# KiCad board led_res_0603_order.kicad_pcb (continued)
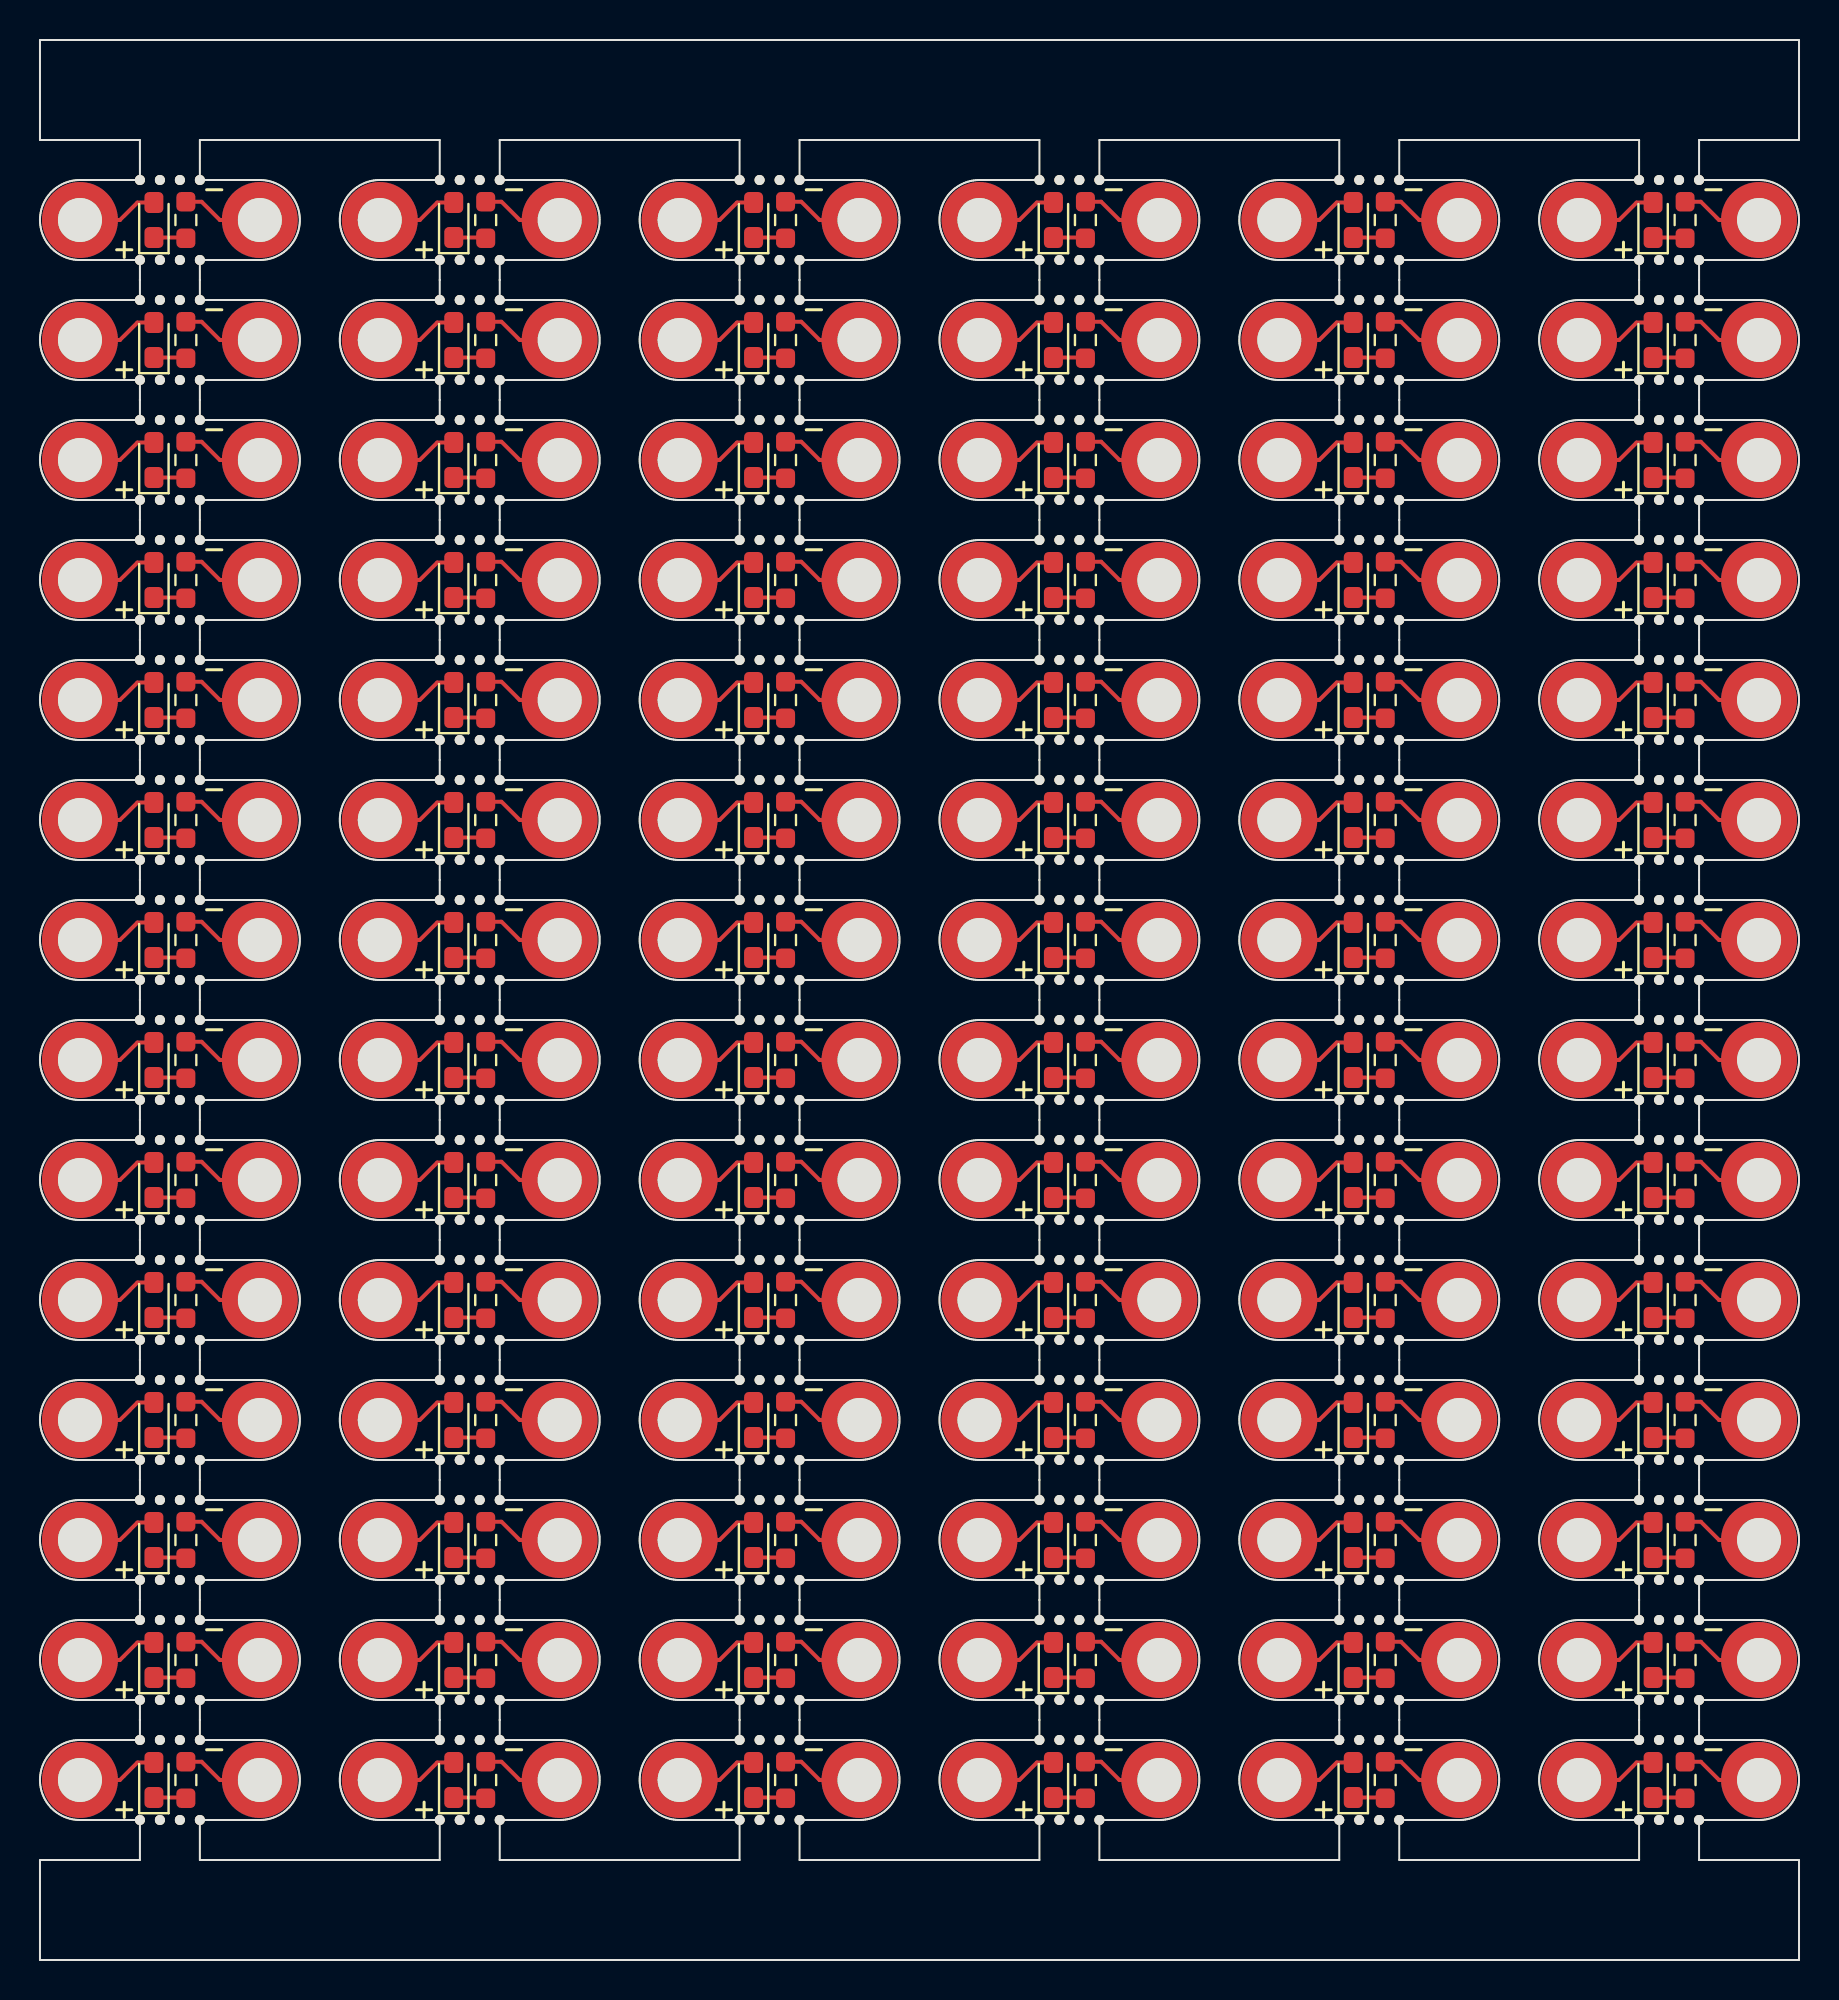
[diagram p0: board, top side]
## Placement (name value [footprint] x y rotation side) (continued)
H2#59  MountingHole_Pad  [MountingHole_2.2mm_M2_DIN965_Pad_TopBottom]  71 75 0 top
H2#60  MountingHole_Pad  [MountingHole_2.2mm_M2_DIN965_Pad_TopBottom]  41 87 0 top
H2#61  MountingHole_Pad  [MountingHole_2.2mm_M2_DIN965_Pad_TopBottom]  26 57 0 top
H2#62  MountingHole_Pad  [MountingHole_2.2mm_M2_DIN965_Pad_TopBottom]  26 33 0 top
H2#63  MountingHole_Pad  [MountingHole_2.2mm_M2_DIN965_Pad_TopBottom]  86 75 0 top
H2#64  MountingHole_Pad  [MountingHole_2.2mm_M2_DIN965_Pad_TopBottom]  86 39 0 top
H2#65  MountingHole_Pad  [MountingHole_2.2mm_M2_DIN965_Pad_TopBottom]  71 33 0 top
H2#66  MountingHole_Pad  [MountingHole_2.2mm_M2_DIN965_Pad_TopBottom]  26 81 0 top
H2#67  MountingHole_Pad  [MountingHole_2.2mm_M2_DIN965_Pad_TopBottom]  41 33 0 top
H2#68  MountingHole_Pad  [MountingHole_2.2mm_M2_DIN965_Pad_TopBottom]  71 69 0 top
H2#69  MountingHole_Pad  [MountingHole_2.2mm_M2_DIN965_Pad_TopBottom]  71 45 0 top
H2#70  MountingHole_Pad  [MountingHole_2.2mm_M2_DIN965_Pad_TopBottom]  11 69 0 top
H2#71  MountingHole_Pad  [MountingHole_2.2mm_M2_DIN965_Pad_TopBottom]  11 87 0 top
H2#72  MountingHole_Pad  [MountingHole_2.2mm_M2_DIN965_Pad_TopBottom]  56 63 0 top
H2#73  MountingHole_Pad  [MountingHole_2.2mm_M2_DIN965_Pad_TopBottom]  56 39 0 top
H2#74  MountingHole_Pad  [MountingHole_2.2mm_M2_DIN965_Pad_TopBottom]  26 87 0 top
H2#75  MountingHole_Pad  [MountingHole_2.2mm_M2_DIN965_Pad_TopBottom]  56 27 0 top
H2#76  MountingHole_Pad  [MountingHole_2.2mm_M2_DIN965_Pad_TopBottom]  11 15 0 top
H2#77  MountingHole_Pad  [MountingHole_2.2mm_M2_DIN965_Pad_TopBottom]  41 63 0 top
H2#78  MountingHole_Pad  [MountingHole_2.2mm_M2_DIN965_Pad_TopBottom]  56 69 0 top
H2#79  MountingHole_Pad  [MountingHole_2.2mm_M2_DIN965_Pad_TopBottom]  26 51 0 top
H2#80  MountingHole_Pad  [MountingHole_2.2mm_M2_DIN965_Pad_TopBottom]  11 39 0 top
H2#81  MountingHole_Pad  [MountingHole_2.2mm_M2_DIN965_Pad_TopBottom]  41 81 0 top
H2#82  MountingHole_Pad  [MountingHole_2.2mm_M2_DIN965_Pad_TopBottom]  26 63 0 top
H2#83  MountingHole_Pad  [MountingHole_2.2mm_M2_DIN965_Pad_TopBottom]  41 27 0 top
H2#84  MountingHole_Pad  [MountingHole_2.2mm_M2_DIN965_Pad_TopBottom]  71 63 0 top
KiKit_MB_1_1  -  [NPTH]  5 89 0 top
KiKit_MB_1_2  -  [NPTH]  6 89 0 top
KiKit_MB_1_3  -  [NPTH]  7 89 0 top
KiKit_MB_1_4  -  [NPTH]  8 89 0 top
KiKit_MB_2_1  -  [NPTH]  8 85 0 top
KiKit_MB_2_2  -  [NPTH]  7 85 0 top
KiKit_MB_2_3  -  [NPTH]  6 85 0 top
KiKit_MB_2_4  -  [NPTH]  5 85 0 top
KiKit_MB_3_1  -  [NPTH]  20 89 0 top
KiKit_MB_3_2  -  [NPTH]  21 89 0 top
KiKit_MB_3_3  -  [NPTH]  22 89 0 top
KiKit_MB_3_4  -  [NPTH]  23 89 0 top
KiKit_MB_4_1  -  [NPTH]  23 85 0 top
KiKit_MB_4_2  -  [NPTH]  22 85 0 top
KiKit_MB_4_3  -  [NPTH]  21 85 0 top
KiKit_MB_4_4  -  [NPTH]  20 85 0 top
KiKit_MB_5_1  -  [NPTH]  35 89 0 top
KiKit_MB_5_2  -  [NPTH]  36 89 0 top
KiKit_MB_5_3  -  [NPTH]  37 89 0 top
KiKit_MB_5_4  -  [NPTH]  38 89 0 top
KiKit_MB_6_1  -  [NPTH]  38 85 0 top
KiKit_MB_6_2  -  [NPTH]  37 85 0 top
KiKit_MB_6_3  -  [NPTH]  36 85 0 top
KiKit_MB_6_4  -  [NPTH]  35 85 0 top
KiKit_MB_7_1  -  [NPTH]  50 89 0 top
KiKit_MB_7_2  -  [NPTH]  51 89 0 top
KiKit_MB_7_3  -  [NPTH]  52 89 0 top
KiKit_MB_7_4  -  [NPTH]  53 89 0 top
KiKit_MB_8_1  -  [NPTH]  53 85 0 top
KiKit_MB_8_2  -  [NPTH]  52 85 0 top
KiKit_MB_8_3  -  [NPTH]  51 85 0 top
KiKit_MB_8_4  -  [NPTH]  50 85 0 top
KiKit_MB_9_1  -  [NPTH]  65 89 0 top
KiKit_MB_9_2  -  [NPTH]  66 89 0 top
KiKit_MB_9_3  -  [NPTH]  67 89 0 top
KiKit_MB_9_4  -  [NPTH]  68 89 0 top
KiKit_MB_10_1  -  [NPTH]  68 85 0 top
KiKit_MB_10_2  -  [NPTH]  67 85 0 top
KiKit_MB_10_3  -  [NPTH]  66 85 0 top
KiKit_MB_10_4  -  [NPTH]  65 85 0 top
KiKit_MB_11_1  -  [NPTH]  80 89 0 top
KiKit_MB_11_2  -  [NPTH]  81 89 0 top
KiKit_MB_11_3  -  [NPTH]  82 89 0 top
KiKit_MB_11_4  -  [NPTH]  83 89 0 top
KiKit_MB_12_1  -  [NPTH]  83 85 0 top
KiKit_MB_12_2  -  [NPTH]  82 85 0 top
KiKit_MB_12_3  -  [NPTH]  81 85 0 top
KiKit_MB_12_4  -  [NPTH]  80 85 0 top
KiKit_MB_13_1  -  [NPTH]  5 83 0 top
KiKit_MB_13_2  -  [NPTH]  6 83 0 top
KiKit_MB_13_3  -  [NPTH]  7 83 0 top
KiKit_MB_13_4  -  [NPTH]  8 83 0 top
KiKit_MB_14_1  -  [NPTH]  8 79 0 top
KiKit_MB_14_2  -  [NPTH]  7 79 0 top
KiKit_MB_14_3  -  [NPTH]  6 79 0 top
KiKit_MB_14_4  -  [NPTH]  5 79 0 top
KiKit_MB_15_1  -  [NPTH]  20 83 0 top
KiKit_MB_15_2  -  [NPTH]  21 83 0 top
KiKit_MB_15_3  -  [NPTH]  22 83 0 top
KiKit_MB_15_4  -  [NPTH]  23 83 0 top
KiKit_MB_16_1  -  [NPTH]  23 79 0 top
KiKit_MB_16_2  -  [NPTH]  22 79 0 top
KiKit_MB_16_3  -  [NPTH]  21 79 0 top
KiKit_MB_16_4  -  [NPTH]  20 79 0 top
KiKit_MB_17_1  -  [NPTH]  35 83 0 top
KiKit_MB_17_2  -  [NPTH]  36 83 0 top
KiKit_MB_17_3  -  [NPTH]  37 83 0 top
KiKit_MB_17_4  -  [NPTH]  38 83 0 top
KiKit_MB_18_1  -  [NPTH]  38 79 0 top
KiKit_MB_18_2  -  [NPTH]  37 79 0 top
KiKit_MB_18_3  -  [NPTH]  36 79 0 top
KiKit_MB_18_4  -  [NPTH]  35 79 0 top
KiKit_MB_19_1  -  [NPTH]  50 83 0 top
KiKit_MB_19_2  -  [NPTH]  51 83 0 top
KiKit_MB_19_3  -  [NPTH]  52 83 0 top
KiKit_MB_19_4  -  [NPTH]  53 83 0 top
KiKit_MB_20_1  -  [NPTH]  53 79 0 top
KiKit_MB_20_2  -  [NPTH]  52 79 0 top
KiKit_MB_20_3  -  [NPTH]  51 79 0 top
KiKit_MB_20_4  -  [NPTH]  50 79 0 top
KiKit_MB_21_1  -  [NPTH]  65 83 0 top
KiKit_MB_21_2  -  [NPTH]  66 83 0 top
KiKit_MB_21_3  -  [NPTH]  67 83 0 top
KiKit_MB_21_4  -  [NPTH]  68 83 0 top
KiKit_MB_22_1  -  [NPTH]  68 79 0 top
KiKit_MB_22_2  -  [NPTH]  67 79 0 top
KiKit_MB_22_3  -  [NPTH]  66 79 0 top
KiKit_MB_22_4  -  [NPTH]  65 79 0 top
KiKit_MB_23_1  -  [NPTH]  80 83 0 top
KiKit_MB_23_2  -  [NPTH]  81 83 0 top
KiKit_MB_23_3  -  [NPTH]  82 83 0 top
KiKit_MB_23_4  -  [NPTH]  83 83 0 top
KiKit_MB_24_1  -  [NPTH]  83 79 0 top
KiKit_MB_24_2  -  [NPTH]  82 79 0 top
KiKit_MB_24_3  -  [NPTH]  81 79 0 top
KiKit_MB_24_4  -  [NPTH]  80 79 0 top
KiKit_MB_25_1  -  [NPTH]  5 77 0 top
KiKit_MB_25_2  -  [NPTH]  6 77 0 top
KiKit_MB_25_3  -  [NPTH]  7 77 0 top
KiKit_MB_25_4  -  [NPTH]  8 77 0 top
KiKit_MB_26_1  -  [NPTH]  8 73 0 top
KiKit_MB_26_2  -  [NPTH]  7 73 0 top
KiKit_MB_26_3  -  [NPTH]  6 73 0 top
KiKit_MB_26_4  -  [NPTH]  5 73 0 top
KiKit_MB_27_1  -  [NPTH]  20 77 0 top
KiKit_MB_27_2  -  [NPTH]  21 77 0 top
KiKit_MB_27_3  -  [NPTH]  22 77 0 top
KiKit_MB_27_4  -  [NPTH]  23 77 0 top
KiKit_MB_28_1  -  [NPTH]  23 73 0 top
KiKit_MB_28_2  -  [NPTH]  22 73 0 top
KiKit_MB_28_3  -  [NPTH]  21 73 0 top
KiKit_MB_28_4  -  [NPTH]  20 73 0 top
KiKit_MB_29_1  -  [NPTH]  35 77 0 top
KiKit_MB_29_2  -  [NPTH]  36 77 0 top
KiKit_MB_29_3  -  [NPTH]  37 77 0 top
KiKit_MB_29_4  -  [NPTH]  38 77 0 top
KiKit_MB_30_1  -  [NPTH]  38 73 0 top
KiKit_MB_30_2  -  [NPTH]  37 73 0 top
KiKit_MB_30_3  -  [NPTH]  36 73 0 top
KiKit_MB_30_4  -  [NPTH]  35 73 0 top
KiKit_MB_31_1  -  [NPTH]  50 77 0 top
KiKit_MB_31_2  -  [NPTH]  51 77 0 top
KiKit_MB_31_3  -  [NPTH]  52 77 0 top
KiKit_MB_31_4  -  [NPTH]  53 77 0 top
KiKit_MB_32_1  -  [NPTH]  53 73 0 top
KiKit_MB_32_2  -  [NPTH]  52 73 0 top
KiKit_MB_32_3  -  [NPTH]  51 73 0 top
KiKit_MB_32_4  -  [NPTH]  50 73 0 top
KiKit_MB_33_1  -  [NPTH]  65 77 0 top
KiKit_MB_33_2  -  [NPTH]  66 77 0 top
KiKit_MB_33_3  -  [NPTH]  67 77 0 top
KiKit_MB_33_4  -  [NPTH]  68 77 0 top
KiKit_MB_34_1  -  [NPTH]  68 73 0 top
KiKit_MB_34_2  -  [NPTH]  67 73 0 top
KiKit_MB_34_3  -  [NPTH]  66 73 0 top
KiKit_MB_34_4  -  [NPTH]  65 73 0 top
KiKit_MB_35_1  -  [NPTH]  80 77 0 top
KiKit_MB_35_2  -  [NPTH]  81 77 0 top
KiKit_MB_35_3  -  [NPTH]  82 77 0 top
KiKit_MB_35_4  -  [NPTH]  83 77 0 top
KiKit_MB_36_1  -  [NPTH]  83 73 0 top
KiKit_MB_36_2  -  [NPTH]  82 73 0 top
KiKit_MB_36_3  -  [NPTH]  81 73 0 top
KiKit_MB_36_4  -  [NPTH]  80 73 0 top
KiKit_MB_37_1  -  [NPTH]  5 71 0 top
KiKit_MB_37_2  -  [NPTH]  6 71 0 top
KiKit_MB_37_3  -  [NPTH]  7 71 0 top
KiKit_MB_37_4  -  [NPTH]  8 71 0 top
KiKit_MB_38_1  -  [NPTH]  8 67 0 top
KiKit_MB_38_2  -  [NPTH]  7 67 0 top
KiKit_MB_38_3  -  [NPTH]  6 67 0 top
KiKit_MB_38_4  -  [NPTH]  5 67 0 top
KiKit_MB_39_1  -  [NPTH]  20 71 0 top
KiKit_MB_39_2  -  [NPTH]  21 71 0 top
KiKit_MB_39_3  -  [NPTH]  22 71 0 top
KiKit_MB_39_4  -  [NPTH]  23 71 0 top
KiKit_MB_40_1  -  [NPTH]  23 67 0 top
KiKit_MB_40_2  -  [NPTH]  22 67 0 top
KiKit_MB_40_3  -  [NPTH]  21 67 0 top
KiKit_MB_40_4  -  [NPTH]  20 67 0 top
KiKit_MB_41_1  -  [NPTH]  35 71 0 top
KiKit_MB_41_2  -  [NPTH]  36 71 0 top
KiKit_MB_41_3  -  [NPTH]  37 71 0 top
KiKit_MB_41_4  -  [NPTH]  38 71 0 top
KiKit_MB_42_1  -  [NPTH]  38 67 0 top
KiKit_MB_42_2  -  [NPTH]  37 67 0 top
KiKit_MB_42_3  -  [NPTH]  36 67 0 top
KiKit_MB_42_4  -  [NPTH]  35 67 0 top
KiKit_MB_43_1  -  [NPTH]  50 71 0 top
KiKit_MB_43_2  -  [NPTH]  51 71 0 top
KiKit_MB_43_3  -  [NPTH]  52 71 0 top
KiKit_MB_43_4  -  [NPTH]  53 71 0 top
KiKit_MB_44_1  -  [NPTH]  53 67 0 top
KiKit_MB_44_2  -  [NPTH]  52 67 0 top
KiKit_MB_44_3  -  [NPTH]  51 67 0 top
KiKit_MB_44_4  -  [NPTH]  50 67 0 top
KiKit_MB_45_1  -  [NPTH]  65 71 0 top
KiKit_MB_45_2  -  [NPTH]  66 71 0 top
KiKit_MB_45_3  -  [NPTH]  67 71 0 top
KiKit_MB_45_4  -  [NPTH]  68 71 0 top
KiKit_MB_46_1  -  [NPTH]  68 67 0 top
KiKit_MB_46_2  -  [NPTH]  67 67 0 top
KiKit_MB_46_3  -  [NPTH]  66 67 0 top
KiKit_MB_46_4  -  [NPTH]  65 67 0 top
KiKit_MB_47_1  -  [NPTH]  80 71 0 top
KiKit_MB_47_2  -  [NPTH]  81 71 0 top
KiKit_MB_47_3  -  [NPTH]  82 71 0 top
KiKit_MB_47_4  -  [NPTH]  83 71 0 top
KiKit_MB_48_1  -  [NPTH]  83 67 0 top
KiKit_MB_48_2  -  [NPTH]  82 67 0 top
KiKit_MB_48_3  -  [NPTH]  81 67 0 top
KiKit_MB_48_4  -  [NPTH]  80 67 0 top
KiKit_MB_49_1  -  [NPTH]  5 65 0 top
KiKit_MB_49_2  -  [NPTH]  6 65 0 top
KiKit_MB_49_3  -  [NPTH]  7 65 0 top
KiKit_MB_49_4  -  [NPTH]  8 65 0 top
KiKit_MB_50_1  -  [NPTH]  8 61 0 top
KiKit_MB_50_2  -  [NPTH]  7 61 0 top
KiKit_MB_50_3  -  [NPTH]  6 61 0 top
KiKit_MB_50_4  -  [NPTH]  5 61 0 top
KiKit_MB_51_1  -  [NPTH]  20 65 0 top
KiKit_MB_51_2  -  [NPTH]  21 65 0 top
KiKit_MB_51_3  -  [NPTH]  22 65 0 top
KiKit_MB_51_4  -  [NPTH]  23 65 0 top
KiKit_MB_52_1  -  [NPTH]  23 61 0 top
KiKit_MB_52_2  -  [NPTH]  22 61 0 top
KiKit_MB_52_3  -  [NPTH]  21 61 0 top
KiKit_MB_52_4  -  [NPTH]  20 61 0 top
KiKit_MB_53_1  -  [NPTH]  35 65 0 top
KiKit_MB_53_2  -  [NPTH]  36 65 0 top
KiKit_MB_53_3  -  [NPTH]  37 65 0 top
KiKit_MB_53_4  -  [NPTH]  38 65 0 top
KiKit_MB_54_1  -  [NPTH]  38 61 0 top
KiKit_MB_54_2  -  [NPTH]  37 61 0 top
KiKit_MB_54_3  -  [NPTH]  36 61 0 top
KiKit_MB_54_4  -  [NPTH]  35 61 0 top
KiKit_MB_55_1  -  [NPTH]  50 65 0 top
KiKit_MB_55_2  -  [NPTH]  51 65 0 top
KiKit_MB_55_3  -  [NPTH]  52 65 0 top
KiKit_MB_55_4  -  [NPTH]  53 65 0 top
KiKit_MB_56_1  -  [NPTH]  53 61 0 top
KiKit_MB_56_2  -  [NPTH]  52 61 0 top
KiKit_MB_56_3  -  [NPTH]  51 61 0 top
KiKit_MB_56_4  -  [NPTH]  50 61 0 top
KiKit_MB_57_1  -  [NPTH]  65 65 0 top
KiKit_MB_57_2  -  [NPTH]  66 65 0 top
KiKit_MB_57_3  -  [NPTH]  67 65 0 top
KiKit_MB_57_4  -  [NPTH]  68 65 0 top
KiKit_MB_58_1  -  [NPTH]  68 61 0 top
KiKit_MB_58_2  -  [NPTH]  67 61 0 top
KiKit_MB_58_3  -  [NPTH]  66 61 0 top
KiKit_MB_58_4  -  [NPTH]  65 61 0 top
KiKit_MB_59_1  -  [NPTH]  80 65 0 top
KiKit_MB_59_2  -  [NPTH]  81 65 0 top
KiKit_MB_59_3  -  [NPTH]  82 65 0 top
KiKit_MB_59_4  -  [NPTH]  83 65 0 top
KiKit_MB_60_1  -  [NPTH]  83 61 0 top
KiKit_MB_60_2  -  [NPTH]  82 61 0 top
KiKit_MB_60_3  -  [NPTH]  81 61 0 top
KiKit_MB_60_4  -  [NPTH]  80 61 0 top
KiKit_MB_61_1  -  [NPTH]  5 59 0 top
KiKit_MB_61_2  -  [NPTH]  6 59 0 top
KiKit_MB_61_3  -  [NPTH]  7 59 0 top
KiKit_MB_61_4  -  [NPTH]  8 59 0 top
KiKit_MB_62_1  -  [NPTH]  8 55 0 top
KiKit_MB_62_2  -  [NPTH]  7 55 0 top
KiKit_MB_62_3  -  [NPTH]  6 55 0 top
KiKit_MB_62_4  -  [NPTH]  5 55 0 top
KiKit_MB_63_1  -  [NPTH]  20 59 0 top
KiKit_MB_63_2  -  [NPTH]  21 59 0 top
KiKit_MB_63_3  -  [NPTH]  22 59 0 top
KiKit_MB_63_4  -  [NPTH]  23 59 0 top
KiKit_MB_64_1  -  [NPTH]  23 55 0 top
KiKit_MB_64_2  -  [NPTH]  22 55 0 top
KiKit_MB_64_3  -  [NPTH]  21 55 0 top
KiKit_MB_64_4  -  [NPTH]  20 55 0 top
KiKit_MB_65_1  -  [NPTH]  35 59 0 top
KiKit_MB_65_2  -  [NPTH]  36 59 0 top
KiKit_MB_65_3  -  [NPTH]  37 59 0 top
KiKit_MB_65_4  -  [NPTH]  38 59 0 top
KiKit_MB_66_1  -  [NPTH]  38 55 0 top
KiKit_MB_66_2  -  [NPTH]  37 55 0 top
KiKit_MB_66_3  -  [NPTH]  36 55 0 top
KiKit_MB_66_4  -  [NPTH]  35 55 0 top
KiKit_MB_67_1  -  [NPTH]  50 59 0 top
KiKit_MB_67_2  -  [NPTH]  51 59 0 top
KiKit_MB_67_3  -  [NPTH]  52 59 0 top
KiKit_MB_67_4  -  [NPTH]  53 59 0 top
KiKit_MB_68_1  -  [NPTH]  53 55 0 top
KiKit_MB_68_2  -  [NPTH]  52 55 0 top
KiKit_MB_68_3  -  [NPTH]  51 55 0 top
KiKit_MB_68_4  -  [NPTH]  50 55 0 top
KiKit_MB_69_1  -  [NPTH]  65 59 0 top
KiKit_MB_69_2  -  [NPTH]  66 59 0 top
KiKit_MB_69_3  -  [NPTH]  67 59 0 top
KiKit_MB_69_4  -  [NPTH]  68 59 0 top
KiKit_MB_70_1  -  [NPTH]  68 55 0 top
KiKit_MB_70_2  -  [NPTH]  67 55 0 top
KiKit_MB_70_3  -  [NPTH]  66 55 0 top
KiKit_MB_70_4  -  [NPTH]  65 55 0 top
KiKit_MB_71_1  -  [NPTH]  80 59 0 top
KiKit_MB_71_2  -  [NPTH]  81 59 0 top
KiKit_MB_71_3  -  [NPTH]  82 59 0 top
KiKit_MB_71_4  -  [NPTH]  83 59 0 top
KiKit_MB_72_1  -  [NPTH]  83 55 0 top
KiKit_MB_72_2  -  [NPTH]  82 55 0 top
KiKit_MB_72_3  -  [NPTH]  81 55 0 top
KiKit_MB_72_4  -  [NPTH]  80 55 0 top
KiKit_MB_73_1  -  [NPTH]  5 53 0 top
KiKit_MB_73_2  -  [NPTH]  6 53 0 top
KiKit_MB_73_3  -  [NPTH]  7 53 0 top
KiKit_MB_73_4  -  [NPTH]  8 53 0 top
KiKit_MB_74_1  -  [NPTH]  8 49 0 top
KiKit_MB_74_2  -  [NPTH]  7 49 0 top
KiKit_MB_74_3  -  [NPTH]  6 49 0 top
KiKit_MB_74_4  -  [NPTH]  5 49 0 top
KiKit_MB_75_1  -  [NPTH]  20 53 0 top
KiKit_MB_75_2  -  [NPTH]  21 53 0 top
KiKit_MB_75_3  -  [NPTH]  22 53 0 top
KiKit_MB_75_4  -  [NPTH]  23 53 0 top
KiKit_MB_76_1  -  [NPTH]  23 49 0 top
KiKit_MB_76_2  -  [NPTH]  22 49 0 top
KiKit_MB_76_3  -  [NPTH]  21 49 0 top
KiKit_MB_76_4  -  [NPTH]  20 49 0 top
KiKit_MB_77_1  -  [NPTH]  35 53 0 top
KiKit_MB_77_2  -  [NPTH]  36 53 0 top
KiKit_MB_77_3  -  [NPTH]  37 53 0 top
KiKit_MB_77_4  -  [NPTH]  38 53 0 top
KiKit_MB_78_1  -  [NPTH]  38 49 0 top
KiKit_MB_78_2  -  [NPTH]  37 49 0 top
KiKit_MB_78_3  -  [NPTH]  36 49 0 top
KiKit_MB_78_4  -  [NPTH]  35 49 0 top
KiKit_MB_79_1  -  [NPTH]  50 53 0 top
KiKit_MB_79_2  -  [NPTH]  51 53 0 top
KiKit_MB_79_3  -  [NPTH]  52 53 0 top
KiKit_MB_79_4  -  [NPTH]  53 53 0 top
KiKit_MB_80_1  -  [NPTH]  53 49 0 top
KiKit_MB_80_2  -  [NPTH]  52 49 0 top
KiKit_MB_80_3  -  [NPTH]  51 49 0 top
KiKit_MB_80_4  -  [NPTH]  50 49 0 top
KiKit_MB_81_1  -  [NPTH]  65 53 0 top
KiKit_MB_81_2  -  [NPTH]  66 53 0 top
KiKit_MB_81_3  -  [NPTH]  67 53 0 top
KiKit_MB_81_4  -  [NPTH]  68 53 0 top
KiKit_MB_82_1  -  [NPTH]  68 49 0 top
KiKit_MB_82_2  -  [NPTH]  67 49 0 top
KiKit_MB_82_3  -  [NPTH]  66 49 0 top
KiKit_MB_82_4  -  [NPTH]  65 49 0 top
KiKit_MB_83_1  -  [NPTH]  80 53 0 top
KiKit_MB_83_2  -  [NPTH]  81 53 0 top
KiKit_MB_83_3  -  [NPTH]  82 53 0 top
KiKit_MB_83_4  -  [NPTH]  83 53 0 top
KiKit_MB_84_1  -  [NPTH]  83 49 0 top
KiKit_MB_84_2  -  [NPTH]  82 49 0 top
KiKit_MB_84_3  -  [NPTH]  81 49 0 top
KiKit_MB_84_4  -  [NPTH]  80 49 0 top
KiKit_MB_85_1  -  [NPTH]  5 47 0 top
KiKit_MB_85_2  -  [NPTH]  6 47 0 top
KiKit_MB_85_3  -  [NPTH]  7 47 0 top
KiKit_MB_85_4  -  [NPTH]  8 47 0 top
KiKit_MB_86_1  -  [NPTH]  8 43 0 top
KiKit_MB_86_2  -  [NPTH]  7 43 0 top
KiKit_MB_86_3  -  [NPTH]  6 43 0 top
KiKit_MB_86_4  -  [NPTH]  5 43 0 top
KiKit_MB_87_1  -  [NPTH]  20 47 0 top
KiKit_MB_87_2  -  [NPTH]  21 47 0 top
KiKit_MB_87_3  -  [NPTH]  22 47 0 top
KiKit_MB_87_4  -  [NPTH]  23 47 0 top
KiKit_MB_88_1  -  [NPTH]  23 43 0 top
KiKit_MB_88_2  -  [NPTH]  22 43 0 top
KiKit_MB_88_3  -  [NPTH]  21 43 0 top
KiKit_MB_88_4  -  [NPTH]  20 43 0 top
KiKit_MB_89_1  -  [NPTH]  35 47 0 top
KiKit_MB_89_2  -  [NPTH]  36 47 0 top
KiKit_MB_89_3  -  [NPTH]  37 47 0 top
KiKit_MB_89_4  -  [NPTH]  38 47 0 top
KiKit_MB_90_1  -  [NPTH]  38 43 0 top
KiKit_MB_90_2  -  [NPTH]  37 43 0 top
KiKit_MB_90_3  -  [NPTH]  36 43 0 top
KiKit_MB_90_4  -  [NPTH]  35 43 0 top
KiKit_MB_91_1  -  [NPTH]  50 47 0 top
KiKit_MB_91_2  -  [NPTH]  51 47 0 top
KiKit_MB_91_3  -  [NPTH]  52 47 0 top
KiKit_MB_91_4  -  [NPTH]  53 47 0 top
KiKit_MB_92_1  -  [NPTH]  53 43 0 top
KiKit_MB_92_2  -  [NPTH]  52 43 0 top
KiKit_MB_92_3  -  [NPTH]  51 43 0 top
KiKit_MB_92_4  -  [NPTH]  50 43 0 top
KiKit_MB_93_1  -  [NPTH]  65 47 0 top
KiKit_MB_93_2  -  [NPTH]  66 47 0 top
KiKit_MB_93_3  -  [NPTH]  67 47 0 top
KiKit_MB_93_4  -  [NPTH]  68 47 0 top
KiKit_MB_94_1  -  [NPTH]  68 43 0 top
KiKit_MB_94_2  -  [NPTH]  67 43 0 top
KiKit_MB_94_3  -  [NPTH]  66 43 0 top
KiKit_MB_94_4  -  [NPTH]  65 43 0 top
KiKit_MB_95_1  -  [NPTH]  80 47 0 top
KiKit_MB_95_2  -  [NPTH]  81 47 0 top
KiKit_MB_95_3  -  [NPTH]  82 47 0 top
KiKit_MB_95_4  -  [NPTH]  83 47 0 top
KiKit_MB_96_1  -  [NPTH]  83 43 0 top
KiKit_MB_96_2  -  [NPTH]  82 43 0 top
KiKit_MB_96_3  -  [NPTH]  81 43 0 top
KiKit_MB_96_4  -  [NPTH]  80 43 0 top
KiKit_MB_97_1  -  [NPTH]  5 41 0 top
KiKit_MB_97_2  -  [NPTH]  6 41 0 top
KiKit_MB_97_3  -  [NPTH]  7 41 0 top
KiKit_MB_97_4  -  [NPTH]  8 41 0 top
KiKit_MB_98_1  -  [NPTH]  8 37 0 top
KiKit_MB_98_2  -  [NPTH]  7 37 0 top
KiKit_MB_98_3  -  [NPTH]  6 37 0 top
KiKit_MB_98_4  -  [NPTH]  5 37 0 top
KiKit_MB_99_1  -  [NPTH]  20 41 0 top
KiKit_MB_99_2  -  [NPTH]  21 41 0 top
KiKit_MB_99_3  -  [NPTH]  22 41 0 top
KiKit_MB_99_4  -  [NPTH]  23 41 0 top
KiKit_MB_100_1  -  [NPTH]  23 37 0 top
KiKit_MB_100_2  -  [NPTH]  22 37 0 top
KiKit_MB_100_3  -  [NPTH]  21 37 0 top
KiKit_MB_100_4  -  [NPTH]  20 37 0 top
KiKit_MB_101_1  -  [NPTH]  35 41 0 top
KiKit_MB_101_2  -  [NPTH]  36 41 0 top
KiKit_MB_101_3  -  [NPTH]  37 41 0 top
KiKit_MB_101_4  -  [NPTH]  38 41 0 top
KiKit_MB_102_1  -  [NPTH]  38 37 0 top
KiKit_MB_102_2  -  [NPTH]  37 37 0 top
KiKit_MB_102_3  -  [NPTH]  36 37 0 top
KiKit_MB_102_4  -  [NPTH]  35 37 0 top
KiKit_MB_103_1  -  [NPTH]  50 41 0 top
KiKit_MB_103_2  -  [NPTH]  51 41 0 top
KiKit_MB_103_3  -  [NPTH]  52 41 0 top
KiKit_MB_103_4  -  [NPTH]  53 41 0 top
KiKit_MB_104_1  -  [NPTH]  53 37 0 top
KiKit_MB_104_2  -  [NPTH]  52 37 0 top
KiKit_MB_104_3  -  [NPTH]  51 37 0 top
KiKit_MB_104_4  -  [NPTH]  50 37 0 top
KiKit_MB_105_1  -  [NPTH]  65 41 0 top
KiKit_MB_105_2  -  [NPTH]  66 41 0 top
KiKit_MB_105_3  -  [NPTH]  67 41 0 top
KiKit_MB_105_4  -  [NPTH]  68 41 0 top
KiKit_MB_106_1  -  [NPTH]  68 37 0 top
KiKit_MB_106_2  -  [NPTH]  67 37 0 top
KiKit_MB_106_3  -  [NPTH]  66 37 0 top
KiKit_MB_106_4  -  [NPTH]  65 37 0 top
KiKit_MB_107_1  -  [NPTH]  80 41 0 top
KiKit_MB_107_2  -  [NPTH]  81 41 0 top
KiKit_MB_107_3  -  [NPTH]  82 41 0 top
KiKit_MB_107_4  -  [NPTH]  83 41 0 top
KiKit_MB_108_1  -  [NPTH]  83 37 0 top
KiKit_MB_108_2  -  [NPTH]  82 37 0 top
KiKit_MB_108_3  -  [NPTH]  81 37 0 top
KiKit_MB_108_4  -  [NPTH]  80 37 0 top
KiKit_MB_109_1  -  [NPTH]  5 35 0 top
KiKit_MB_109_2  -  [NPTH]  6 35 0 top
KiKit_MB_109_3  -  [NPTH]  7 35 0 top
KiKit_MB_109_4  -  [NPTH]  8 35 0 top
KiKit_MB_110_1  -  [NPTH]  8 31 0 top
KiKit_MB_110_2  -  [NPTH]  7 31 0 top
KiKit_MB_110_3  -  [NPTH]  6 31 0 top
KiKit_MB_110_4  -  [NPTH]  5 31 0 top
KiKit_MB_111_1  -  [NPTH]  20 35 0 top
KiKit_MB_111_2  -  [NPTH]  21 35 0 top
KiKit_MB_111_3  -  [NPTH]  22 35 0 top
KiKit_MB_111_4  -  [NPTH]  23 35 0 top
KiKit_MB_112_1  -  [NPTH]  23 31 0 top
KiKit_MB_112_2  -  [NPTH]  22 31 0 top
KiKit_MB_112_3  -  [NPTH]  21 31 0 top
KiKit_MB_112_4  -  [NPTH]  20 31 0 top
KiKit_MB_113_1  -  [NPTH]  35 35 0 top
KiKit_MB_113_2  -  [NPTH]  36 35 0 top
KiKit_MB_113_3  -  [NPTH]  37 35 0 top
KiKit_MB_113_4  -  [NPTH]  38 35 0 top
KiKit_MB_114_1  -  [NPTH]  38 31 0 top
KiKit_MB_114_2  -  [NPTH]  37 31 0 top
KiKit_MB_114_3  -  [NPTH]  36 31 0 top
KiKit_MB_114_4  -  [NPTH]  35 31 0 top
KiKit_MB_115_1  -  [NPTH]  50 35 0 top
KiKit_MB_115_2  -  [NPTH]  51 35 0 top
KiKit_MB_115_3  -  [NPTH]  52 35 0 top
KiKit_MB_115_4  -  [NPTH]  53 35 0 top
KiKit_MB_116_1  -  [NPTH]  53 31 0 top
KiKit_MB_116_2  -  [NPTH]  52 31 0 top
KiKit_MB_116_3  -  [NPTH]  51 31 0 top
KiKit_MB_116_4  -  [NPTH]  50 31 0 top
KiKit_MB_117_1  -  [NPTH]  65 35 0 top
KiKit_MB_117_2  -  [NPTH]  66 35 0 top
KiKit_MB_117_3  -  [NPTH]  67 35 0 top
KiKit_MB_117_4  -  [NPTH]  68 35 0 top
KiKit_MB_118_1  -  [NPTH]  68 31 0 top
KiKit_MB_118_2  -  [NPTH]  67 31 0 top
KiKit_MB_118_3  -  [NPTH]  66 31 0 top
KiKit_MB_118_4  -  [NPTH]  65 31 0 top
KiKit_MB_119_1  -  [NPTH]  80 35 0 top
KiKit_MB_119_2  -  [NPTH]  81 35 0 top
KiKit_MB_119_3  -  [NPTH]  82 35 0 top
KiKit_MB_119_4  -  [NPTH]  83 35 0 top
KiKit_MB_120_1  -  [NPTH]  83 31 0 top
KiKit_MB_120_2  -  [NPTH]  82 31 0 top
KiKit_MB_120_3  -  [NPTH]  81 31 0 top
KiKit_MB_120_4  -  [NPTH]  80 31 0 top
KiKit_MB_121_1  -  [NPTH]  5 29 0 top
KiKit_MB_121_2  -  [NPTH]  6 29 0 top
KiKit_MB_121_3  -  [NPTH]  7 29 0 top
KiKit_MB_121_4  -  [NPTH]  8 29 0 top
KiKit_MB_122_1  -  [NPTH]  8 25 0 top
KiKit_MB_122_2  -  [NPTH]  7 25 0 top
KiKit_MB_122_3  -  [NPTH]  6 25 0 top
KiKit_MB_122_4  -  [NPTH]  5 25 0 top
KiKit_MB_123_1  -  [NPTH]  20 29 0 top
KiKit_MB_123_2  -  [NPTH]  21 29 0 top
KiKit_MB_123_3  -  [NPTH]  22 29 0 top
KiKit_MB_123_4  -  [NPTH]  23 29 0 top
KiKit_MB_124_1  -  [NPTH]  23 25 0 top
KiKit_MB_124_2  -  [NPTH]  22 25 0 top
KiKit_MB_124_3  -  [NPTH]  21 25 0 top
KiKit_MB_124_4  -  [NPTH]  20 25 0 top
KiKit_MB_125_1  -  [NPTH]  35 29 0 top
KiKit_MB_125_2  -  [NPTH]  36 29 0 top
KiKit_MB_125_3  -  [NPTH]  37 29 0 top
KiKit_MB_125_4  -  [NPTH]  38 29 0 top
KiKit_MB_126_1  -  [NPTH]  38 25 0 top
KiKit_MB_126_2  -  [NPTH]  37 25 0 top
KiKit_MB_126_3  -  [NPTH]  36 25 0 top
KiKit_MB_126_4  -  [NPTH]  35 25 0 top
KiKit_MB_127_1  -  [NPTH]  50 29 0 top
KiKit_MB_127_2  -  [NPTH]  51 29 0 top
KiKit_MB_127_3  -  [NPTH]  52 29 0 top
KiKit_MB_127_4  -  [NPTH]  53 29 0 top
KiKit_MB_128_1  -  [NPTH]  53 25 0 top
KiKit_MB_128_2  -  [NPTH]  52 25 0 top
KiKit_MB_128_3  -  [NPTH]  51 25 0 top
KiKit_MB_128_4  -  [NPTH]  50 25 0 top
KiKit_MB_129_1  -  [NPTH]  65 29 0 top
KiKit_MB_129_2  -  [NPTH]  66 29 0 top
KiKit_MB_129_3  -  [NPTH]  67 29 0 top
KiKit_MB_129_4  -  [NPTH]  68 29 0 top
KiKit_MB_130_1  -  [NPTH]  68 25 0 top
KiKit_MB_130_2  -  [NPTH]  67 25 0 top
KiKit_MB_130_3  -  [NPTH]  66 25 0 top
KiKit_MB_130_4  -  [NPTH]  65 25 0 top
KiKit_MB_131_1  -  [NPTH]  80 29 0 top
KiKit_MB_131_2  -  [NPTH]  81 29 0 top
KiKit_MB_131_3  -  [NPTH]  82 29 0 top
KiKit_MB_131_4  -  [NPTH]  83 29 0 top
KiKit_MB_132_1  -  [NPTH]  83 25 0 top
KiKit_MB_132_2  -  [NPTH]  82 25 0 top
KiKit_MB_132_3  -  [NPTH]  81 25 0 top
KiKit_MB_132_4  -  [NPTH]  80 25 0 top
KiKit_MB_133_1  -  [NPTH]  5 23 0 top
KiKit_MB_133_2  -  [NPTH]  6 23 0 top
KiKit_MB_133_3  -  [NPTH]  7 23 0 top
KiKit_MB_133_4  -  [NPTH]  8 23 0 top
KiKit_MB_134_1  -  [NPTH]  8 19 0 top
KiKit_MB_134_2  -  [NPTH]  7 19 0 top
KiKit_MB_134_3  -  [NPTH]  6 19 0 top
KiKit_MB_134_4  -  [NPTH]  5 19 0 top
KiKit_MB_135_1  -  [NPTH]  20 23 0 top
KiKit_MB_135_2  -  [NPTH]  21 23 0 top
KiKit_MB_135_3  -  [NPTH]  22 23 0 top
KiKit_MB_135_4  -  [NPTH]  23 23 0 top
KiKit_MB_136_1  -  [NPTH]  23 19 0 top
KiKit_MB_136_2  -  [NPTH]  22 19 0 top
KiKit_MB_136_3  -  [NPTH]  21 19 0 top
KiKit_MB_136_4  -  [NPTH]  20 19 0 top
KiKit_MB_137_1  -  [NPTH]  35 23 0 top
KiKit_MB_137_2  -  [NPTH]  36 23 0 top
KiKit_MB_137_3  -  [NPTH]  37 23 0 top
KiKit_MB_137_4  -  [NPTH]  38 23 0 top
KiKit_MB_138_1  -  [NPTH]  38 19 0 top
KiKit_MB_138_2  -  [NPTH]  37 19 0 top
KiKit_MB_138_3  -  [NPTH]  36 19 0 top
KiKit_MB_138_4  -  [NPTH]  35 19 0 top
KiKit_MB_139_1  -  [NPTH]  50 23 0 top
KiKit_MB_139_2  -  [NPTH]  51 23 0 top
KiKit_MB_139_3  -  [NPTH]  52 23 0 top
KiKit_MB_139_4  -  [NPTH]  53 23 0 top
KiKit_MB_140_1  -  [NPTH]  53 19 0 top
KiKit_MB_140_2  -  [NPTH]  52 19 0 top
KiKit_MB_140_3  -  [NPTH]  51 19 0 top
KiKit_MB_140_4  -  [NPTH]  50 19 0 top
KiKit_MB_141_1  -  [NPTH]  65 23 0 top
KiKit_MB_141_2  -  [NPTH]  66 23 0 top
KiKit_MB_141_3  -  [NPTH]  67 23 0 top
KiKit_MB_141_4  -  [NPTH]  68 23 0 top
KiKit_MB_142_1  -  [NPTH]  68 19 0 top
KiKit_MB_142_2  -  [NPTH]  67 19 0 top
KiKit_MB_142_3  -  [NPTH]  66 19 0 top
KiKit_MB_142_4  -  [NPTH]  65 19 0 top
KiKit_MB_143_1  -  [NPTH]  80 23 0 top
KiKit_MB_143_2  -  [NPTH]  81 23 0 top
KiKit_MB_143_3  -  [NPTH]  82 23 0 top
KiKit_MB_143_4  -  [NPTH]  83 23 0 top
KiKit_MB_144_1  -  [NPTH]  83 19 0 top
KiKit_MB_144_2  -  [NPTH]  82 19 0 top
KiKit_MB_144_3  -  [NPTH]  81 19 0 top
KiKit_MB_144_4  -  [NPTH]  80 19 0 top
KiKit_MB_145_1  -  [NPTH]  5 17 0 top
KiKit_MB_145_2  -  [NPTH]  6 17 0 top
KiKit_MB_145_3  -  [NPTH]  7 17 0 top
KiKit_MB_145_4  -  [NPTH]  8 17 0 top
KiKit_MB_146_1  -  [NPTH]  8 13 0 top
KiKit_MB_146_2  -  [NPTH]  7 13 0 top
KiKit_MB_146_3  -  [NPTH]  6 13 0 top
KiKit_MB_146_4  -  [NPTH]  5 13 0 top
KiKit_MB_147_1  -  [NPTH]  20 17 0 top
KiKit_MB_147_2  -  [NPTH]  21 17 0 top
KiKit_MB_147_3  -  [NPTH]  22 17 0 top
KiKit_MB_147_4  -  [NPTH]  23 17 0 top
KiKit_MB_148_1  -  [NPTH]  23 13 0 top
KiKit_MB_148_2  -  [NPTH]  22 13 0 top
KiKit_MB_148_3  -  [NPTH]  21 13 0 top
KiKit_MB_148_4  -  [NPTH]  20 13 0 top
KiKit_MB_149_1  -  [NPTH]  35 17 0 top
KiKit_MB_149_2  -  [NPTH]  36 17 0 top
KiKit_MB_149_3  -  [NPTH]  37 17 0 top
KiKit_MB_149_4  -  [NPTH]  38 17 0 top
KiKit_MB_150_1  -  [NPTH]  38 13 0 top
KiKit_MB_150_2  -  [NPTH]  37 13 0 top
KiKit_MB_150_3  -  [NPTH]  36 13 0 top
KiKit_MB_150_4  -  [NPTH]  35 13 0 top
KiKit_MB_151_1  -  [NPTH]  50 17 0 top
KiKit_MB_151_2  -  [NPTH]  51 17 0 top
KiKit_MB_151_3  -  [NPTH]  52 17 0 top
KiKit_MB_151_4  -  [NPTH]  53 17 0 top
KiKit_MB_152_1  -  [NPTH]  53 13 0 top
KiKit_MB_152_2  -  [NPTH]  52 13 0 top
KiKit_MB_152_3  -  [NPTH]  51 13 0 top
KiKit_MB_152_4  -  [NPTH]  50 13 0 top
KiKit_MB_153_1  -  [NPTH]  65 17 0 top
KiKit_MB_153_2  -  [NPTH]  66 17 0 top
KiKit_MB_153_3  -  [NPTH]  67 17 0 top
KiKit_MB_153_4  -  [NPTH]  68 17 0 top
KiKit_MB_154_1  -  [NPTH]  68 13 0 top
KiKit_MB_154_2  -  [NPTH]  67 13 0 top
KiKit_MB_154_3  -  [NPTH]  66 13 0 top
KiKit_MB_154_4  -  [NPTH]  65 13 0 top
KiKit_MB_155_1  -  [NPTH]  80 17 0 top
KiKit_MB_155_2  -  [NPTH]  81 17 0 top
KiKit_MB_155_3  -  [NPTH]  82 17 0 top
KiKit_MB_155_4  -  [NPTH]  83 17 0 top
KiKit_MB_156_1  -  [NPTH]  83 13 0 top
KiKit_MB_156_2  -  [NPTH]  82 13 0 top
KiKit_MB_156_3  -  [NPTH]  81 13 0 top
KiKit_MB_156_4  -  [NPTH]  80 13 0 top
KiKit_MB_157_1  -  [NPTH]  5 11 0 top
KiKit_MB_157_2  -  [NPTH]  6 11 0 top
KiKit_MB_157_3  -  [NPTH]  7 11 0 top
KiKit_MB_157_4  -  [NPTH]  8 11 0 top
KiKit_MB_158_1  -  [NPTH]  8 7 0 top
KiKit_MB_158_2  -  [NPTH]  7 7 0 top
KiKit_MB_158_3  -  [NPTH]  6 7 0 top
KiKit_MB_158_4  -  [NPTH]  5 7 0 top
KiKit_MB_159_1  -  [NPTH]  20 11 0 top
KiKit_MB_159_2  -  [NPTH]  21 11 0 top
KiKit_MB_159_3  -  [NPTH]  22 11 0 top
KiKit_MB_159_4  -  [NPTH]  23 11 0 top
KiKit_MB_160_1  -  [NPTH]  23 7 0 top
KiKit_MB_160_2  -  [NPTH]  22 7 0 top
KiKit_MB_160_3  -  [NPTH]  21 7 0 top
KiKit_MB_160_4  -  [NPTH]  20 7 0 top
KiKit_MB_161_1  -  [NPTH]  35 11 0 top
KiKit_MB_161_2  -  [NPTH]  36 11 0 top
KiKit_MB_161_3  -  [NPTH]  37 11 0 top
KiKit_MB_161_4  -  [NPTH]  38 11 0 top
KiKit_MB_162_1  -  [NPTH]  38 7 0 top
KiKit_MB_162_2  -  [NPTH]  37 7 0 top
KiKit_MB_162_3  -  [NPTH]  36 7 0 top
KiKit_MB_162_4  -  [NPTH]  35 7 0 top
KiKit_MB_163_1  -  [NPTH]  50 11 0 top
KiKit_MB_163_2  -  [NPTH]  51 11 0 top
KiKit_MB_163_3  -  [NPTH]  52 11 0 top
KiKit_MB_163_4  -  [NPTH]  53 11 0 top
KiKit_MB_164_1  -  [NPTH]  53 7 0 top
KiKit_MB_164_2  -  [NPTH]  52 7 0 top
KiKit_MB_164_3  -  [NPTH]  51 7 0 top
KiKit_MB_164_4  -  [NPTH]  50 7 0 top
KiKit_MB_165_1  -  [NPTH]  65 11 0 top
KiKit_MB_165_2  -  [NPTH]  66 11 0 top
KiKit_MB_165_3  -  [NPTH]  67 11 0 top
KiKit_MB_165_4  -  [NPTH]  68 11 0 top
KiKit_MB_166_1  -  [NPTH]  68 7 0 top
KiKit_MB_166_2  -  [NPTH]  67 7 0 top
KiKit_MB_166_3  -  [NPTH]  66 7 0 top
KiKit_MB_166_4  -  [NPTH]  65 7 0 top
KiKit_MB_167_1  -  [NPTH]  80 11 0 top
KiKit_MB_167_2  -  [NPTH]  81 11 0 top
KiKit_MB_167_3  -  [NPTH]  82 11 0 top
KiKit_MB_167_4  -  [NPTH]  83 11 0 top
KiKit_MB_168_1  -  [NPTH]  83 7 0 top
KiKit_MB_168_2  -  [NPTH]  82 7 0 top
KiKit_MB_168_3  -  [NPTH]  81 7 0 top
KiKit_MB_168_4  -  [NPTH]  80 7 0 top
R1  R_US  [R_0603_1608Metric_Pad0.98x0.95mm_HandSolder]  37.3 21 90 top
R1#2  R_US  [R_0603_1608Metric_Pad0.98x0.95mm_HandSolder]  82.3 63 90 top
R1#3  R_US  [R_0603_1608Metric_Pad0.98x0.95mm_HandSolder]  7.3 87 90 top
R1#4  R_US  [R_0603_1608Metric_Pad0.98x0.95mm_HandSolder]  52.3 33 90 top
R1#5  R_US  [R_0603_1608Metric_Pad0.98x0.95mm_HandSolder]  22.3 87 90 top
R1#6  R_US  [R_0603_1608Metric_Pad0.98x0.95mm_HandSolder]  67.3 9 90 top
R1#7  R_US  [R_0603_1608Metric_Pad0.98x0.95mm_HandSolder]  67.3 27 90 top
R1#8  R_US  [R_0603_1608Metric_Pad0.98x0.95mm_HandSolder]  7.3 57 90 top
R1#9  R_US  [R_0603_1608Metric_Pad0.98x0.95mm_HandSolder]  67.3 81 90 top
R1#10  R_US  [R_0603_1608Metric_Pad0.98x0.95mm_HandSolder]  52.3 9 90 top
R1#11  R_US  [R_0603_1608Metric_Pad0.98x0.95mm_HandSolder]  52.3 15 90 top
R1#12  R_US  [R_0603_1608Metric_Pad0.98x0.95mm_HandSolder]  7.3 75 90 top
R1#13  R_US  [R_0603_1608Metric_Pad0.98x0.95mm_HandSolder]  67.3 69 90 top
R1#14  R_US  [R_0603_1608Metric_Pad0.98x0.95mm_HandSolder]  67.3 39 90 top
R1#15  R_US  [R_0603_1608Metric_Pad0.98x0.95mm_HandSolder]  22.3 75 90 top
R1#16  R_US  [R_0603_1608Metric_Pad0.98x0.95mm_HandSolder]  7.3 15 90 top
R1#17  R_US  [R_0603_1608Metric_Pad0.98x0.95mm_HandSolder]  52.3 57 90 top
R1#18  R_US  [R_0603_1608Metric_Pad0.98x0.95mm_HandSolder]  52.3 45 90 top
R1#19  R_US  [R_0603_1608Metric_Pad0.98x0.95mm_HandSolder]  7.3 33 90 top
R1#20  R_US  [R_0603_1608Metric_Pad0.98x0.95mm_HandSolder]  37.3 63 90 top
R1#21  R_US  [R_0603_1608Metric_Pad0.98x0.95mm_HandSolder]  7.3 81 90 top
R1#22  R_US  [R_0603_1608Metric_Pad0.98x0.95mm_HandSolder]  37.3 87 90 top
R1#23  R_US  [R_0603_1608Metric_Pad0.98x0.95mm_HandSolder]  82.3 15 90 top
R1#24  R_US  [R_0603_1608Metric_Pad0.98x0.95mm_HandSolder]  52.3 75 90 top
R1#25  R_US  [R_0603_1608Metric_Pad0.98x0.95mm_HandSolder]  67.3 63 90 top
R1#26  R_US  [R_0603_1608Metric_Pad0.98x0.95mm_HandSolder]  52.3 63 90 top
R1#27  R_US  [R_0603_1608Metric_Pad0.98x0.95mm_HandSolder]  52.3 39 90 top
R1#28  R_US  [R_0603_1608Metric_Pad0.98x0.95mm_HandSolder]  22.3 63 90 top
R1#29  R_US  [R_0603_1608Metric_Pad0.98x0.95mm_HandSolder]  82.3 39 90 top
R1#30  R_US  [R_0603_1608Metric_Pad0.98x0.95mm_HandSolder]  67.3 45 90 top
R1#31  R_US  [R_0603_1608Metric_Pad0.98x0.95mm_HandSolder]  22.3 45 90 top
R1#32  R_US  [R_0603_1608Metric_Pad0.98x0.95mm_HandSolder]  7.3 63 90 top
R1#33  R_US  [R_0603_1608Metric_Pad0.98x0.95mm_HandSolder]  37.3 33 90 top
R1#34  R_US  [R_0603_1608Metric_Pad0.98x0.95mm_HandSolder]  37.3 9 90 top
R1#35  R_US  [R_0603_1608Metric_Pad0.98x0.95mm_HandSolder]  22.3 51 90 top
R1#36  R_US  [R_0603_1608Metric_Pad0.98x0.95mm_HandSolder]  82.3 51 90 top
R1#37  R_US  [R_0603_1608Metric_Pad0.98x0.95mm_HandSolder]  37.3 51 90 top
R1#38  R_US  [R_0603_1608Metric_Pad0.98x0.95mm_HandSolder]  7.3 39 90 top
R1#39  R_US  [R_0603_1608Metric_Pad0.98x0.95mm_HandSolder]  37.3 39 90 top
R1#40  R_US  [R_0603_1608Metric_Pad0.98x0.95mm_HandSolder]  22.3 9 90 top
R1#41  R_US  [R_0603_1608Metric_Pad0.98x0.95mm_HandSolder]  7.3 69 90 top
R1#42  R_US  [R_0603_1608Metric_Pad0.98x0.95mm_HandSolder]  82.3 45 90 top
R1#43  R_US  [R_0603_1608Metric_Pad0.98x0.95mm_HandSolder]  22.3 69 90 top
R1#44  R_US  [R_0603_1608Metric_Pad0.98x0.95mm_HandSolder]  22.3 57 90 top
R1#45  R_US  [R_0603_1608Metric_Pad0.98x0.95mm_HandSolder]  37.3 69 90 top
R1#46  R_US  [R_0603_1608Metric_Pad0.98x0.95mm_HandSolder]  37.3 27 90 top
R1#47  R_US  [R_0603_1608Metric_Pad0.98x0.95mm_HandSolder]  22.3 21 90 top
R1#48  R_US  [R_0603_1608Metric_Pad0.98x0.95mm_HandSolder]  37.3 75 90 top
R1#49  R_US  [R_0603_1608Metric_Pad0.98x0.95mm_HandSolder]  67.3 51 90 top
R1#50  R_US  [R_0603_1608Metric_Pad0.98x0.95mm_HandSolder]  7.3 27 90 top
R1#51  R_US  [R_0603_1608Metric_Pad0.98x0.95mm_HandSolder]  22.3 33 90 top
